# Altium PCB PowerAMP_revision.PcbDoc (part 4 of 4)
Units mm, origin at the board's own origin, x right, y up, seen from the top; angles counter-clockwise.
Board outline 211.5 x 142.58 mm, 2 copper layers (Top Layer, Bottom Layer), stack 1.635 mm thick; 322 components, 226 nets, 1061 pads, 745 vias.
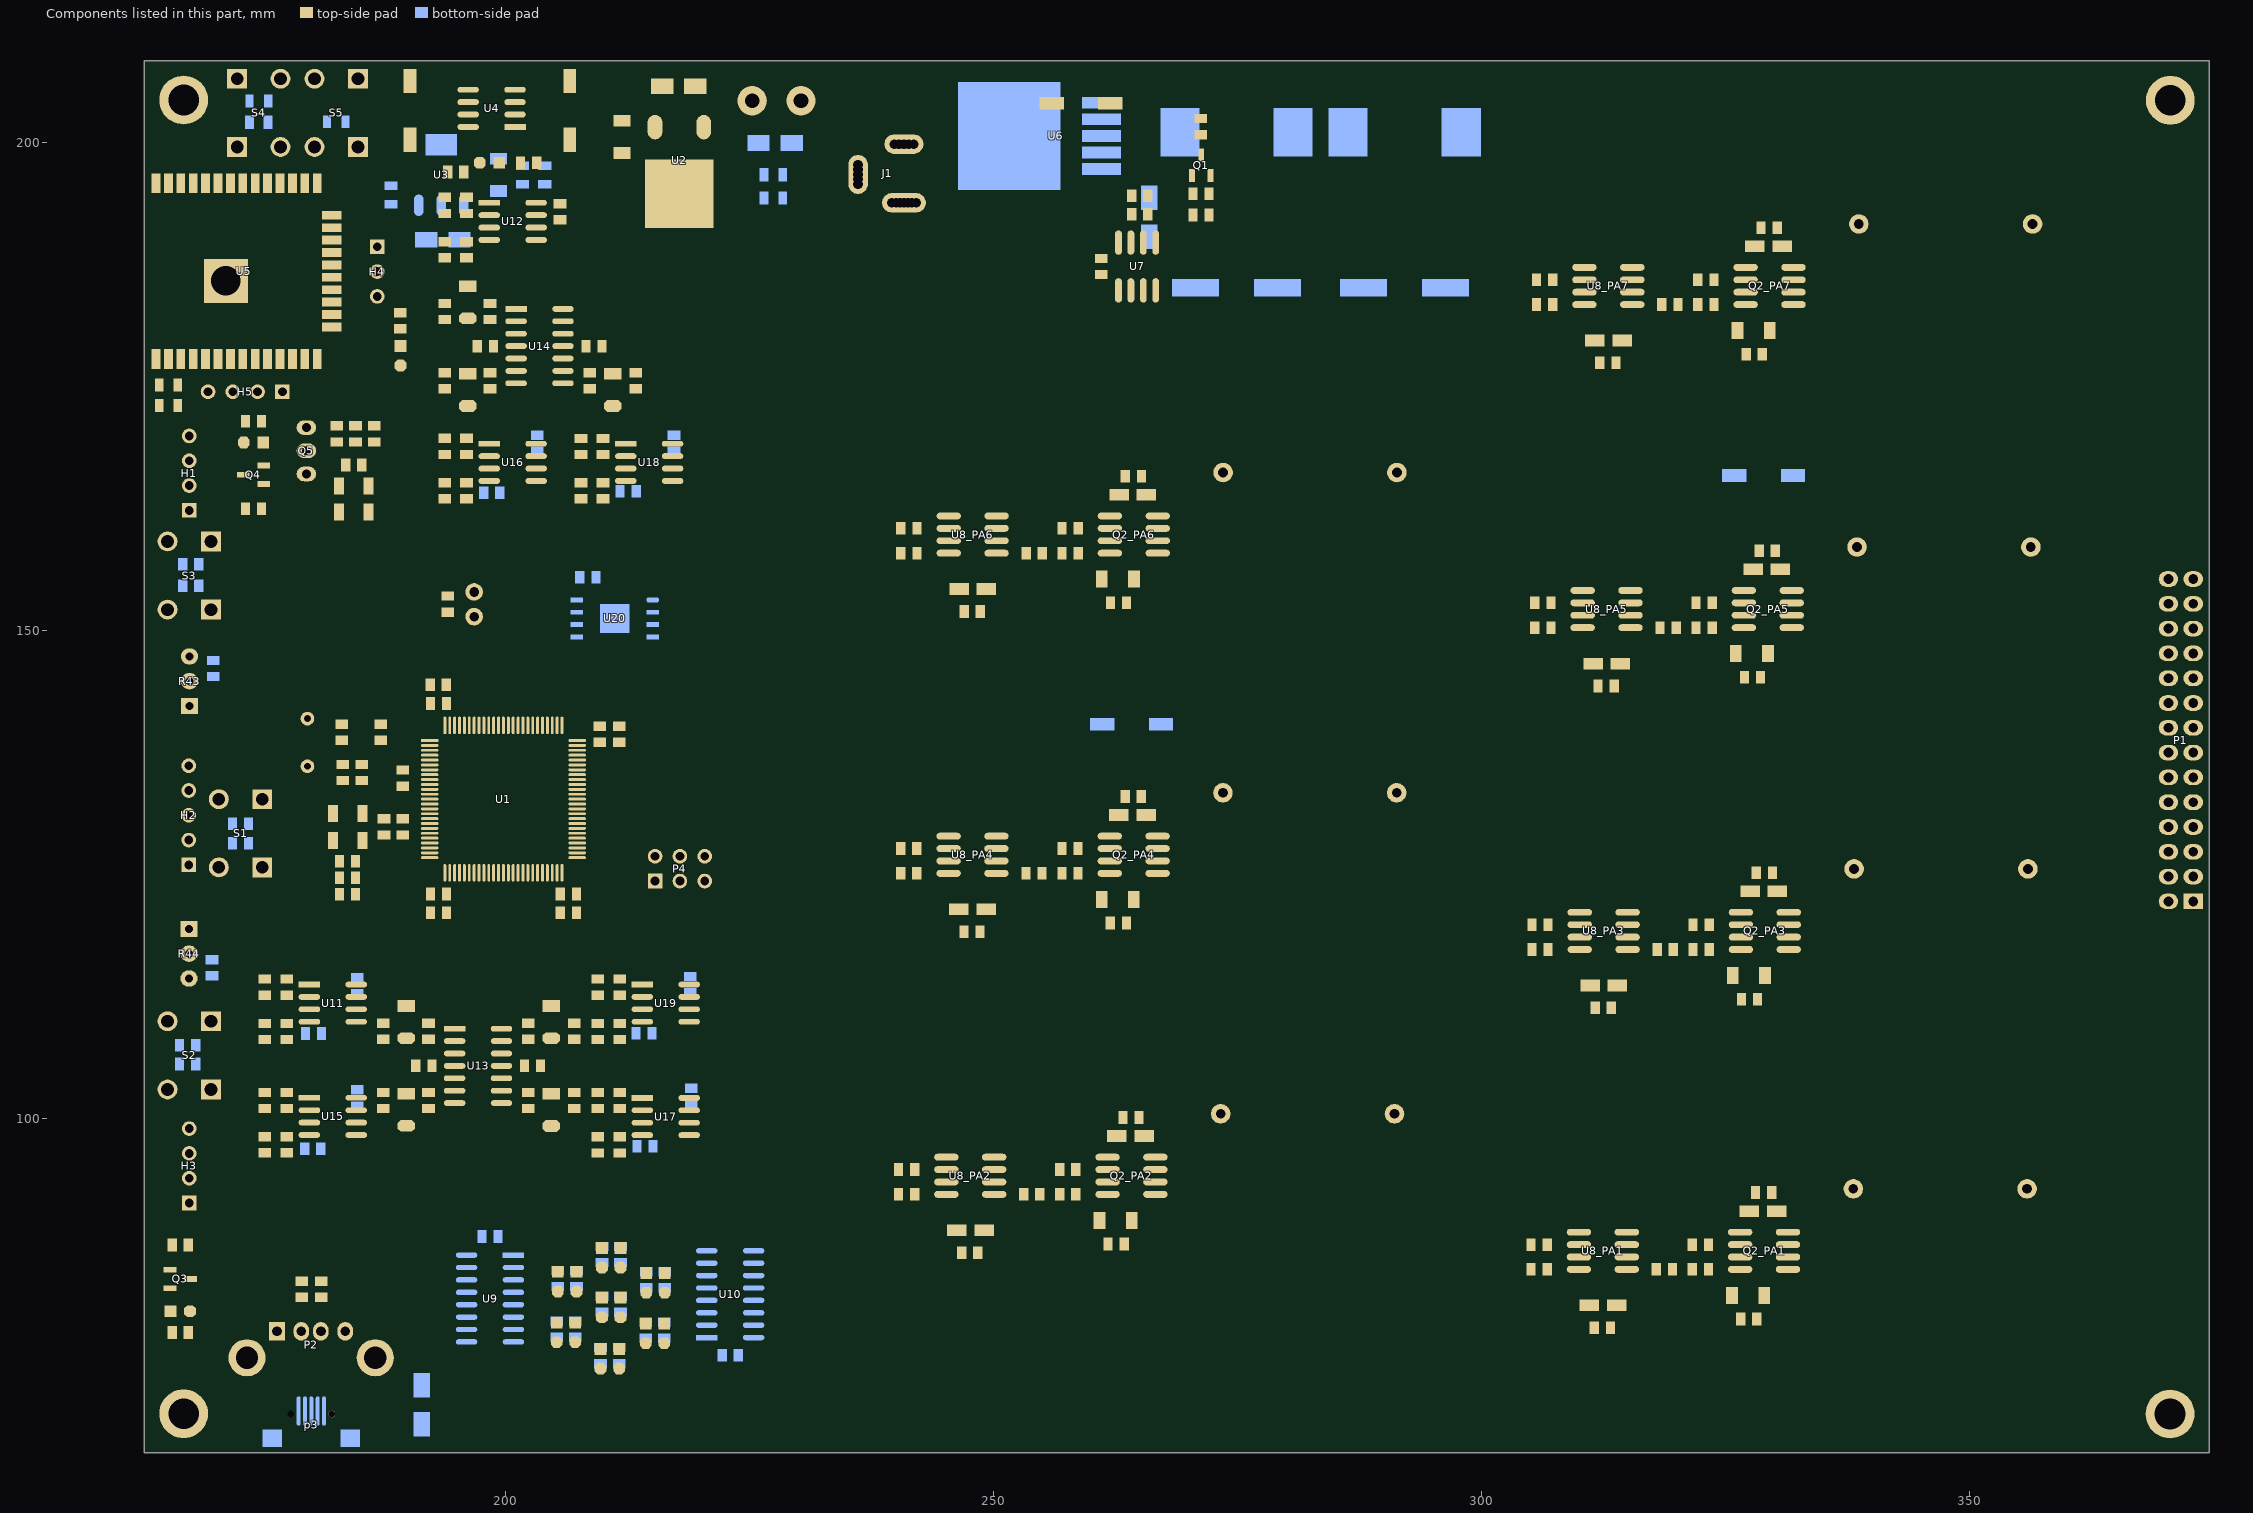
[diagram p4: the components of this part, seen from the top]

## Other copper
Top Layer:
  rectangle net GND: 210.8,185 226.9,199.525
  rectangle net GND: 302.25,154.1 324.233,160.977
  rectangle net +12: 248.508,143.844 257.875,155.75
  rectangle net GND: 237.325,161.75 259.275,168.609
  rectangle net GND: 237.332,143.844 246.857,156.036
  rectangle net coilH6: 267.766,143.743 292.531,163.743
  rectangle net GND: 276.55,182.95 298.775,187.775
  rectangle net coilH1: 332.225,70.384 357.079,90.384
  rectangle net coilH2: 267.65,78.069 292.289,98.069
  rectangle net GND: 237.075,96.075 259.061,102.935
  rectangle net GND: 237.09,78.17 246.615,90.362
  rectangle net +12: 248.266,78.17 257.675,90.05
  rectangle net +12: 313.137,103.248 322.55,115.1
  rectangle net coilH4: 267.752,110.946 292.517,130.946
  rectangle net coilH7: 332.877,169.202 357.642,189.202
  rectangle net GND: 302.425,187.2 324.414,194.068
  rectangle net GND: 302.443,169.303 311.968,181.495
  rectangle net +12: 313.619,169.303 323,181.125
  rectangle net coilH5: 332.696,136.111 357.461,156.111
  rectangle net GND: 302.262,136.212 311.787,148.404
  rectangle net +12: 313.438,136.212 322.8,148.1
  rectangle net GND: 237.3,128.95 259.289,135.812
  rectangle net GND: 237.318,111.047 246.843,123.239
  rectangle net +12: 248.494,111.047 257.9,122.9
  rectangle net coilH3: 332.395,103.147 357.16,123.147
  rectangle net GND: 301.95,121.15 323.932,128.013
  rectangle net GND: 301.961,103.248 311.486,115.44
  rectangle net GND: 301.875,88.375 323.851,95.25
  rectangle net GND: 301.88,70.485 311.405,82.677
  rectangle net +12: 313.056,70.485 322.475,82.35
  pour cut-out: 201.825,81 ccw(c210.825,81) 210.825,72 ccw(c210.825,81) 219.825,81 ccw(c210.825,81) 210.825,90 ccw(c210.825,81)
  text "Masoud Babaabasi" at 313.105,203.86 h5
  text "WPT" at 326.38,200.269 h5
  text "Summer 2022" at 318.275,196.994 h5
  text "PA7" at 324.6,173.65 h4
  text "PA7" at 368.125,158.25 h3.5
  text "PA6" at 259.725,148.202 h4
  text "PA5" at 324.925,140.727 h4
  text "PA1" at 368.125,117.425 h3.5
  text "PA4" at 259.825,115.307 h4
  text "PA3" at 324.3,107.902 h4
  text "G" at 164.431,98.65 h2.2 r270
  text "TX" at 164.549,96.875 h1.8 r270
  text "RX" at 164.549,94.2 h1.8 r270
  text "L5" at 204.65,86.971 h3
  text "L7" at 214.175,86.976 h3
  text "PA2" at 259.4,82.775 h4
  text "PA1" at 324.2,74.9 h4
  text "L3" at 204.65,73.49 h3
  text "L1" at 214.175,73.49 h3
Bottom Layer:
  rectangle net GND: 175.775,66.75 178.914,71.907
  rectangle net +3v3: 186.6,197.375 222.7,207.7
  rectangle net GND: 263.55,172.15 266.05,174.7
  rectangle net GND: 261.4,169.025 264.45,173.8
  rectangle net +12: 248.508,143.844 257.9,155.725
  rectangle net GND: 237.332,143.844 246.857,156.036
  rectangle net coilH6: 267.766,143.743 292.531,163.743
  rectangle net GND: 237.325,161.75 259.25,168.609
  rectangle net GND: 256.325,173.4 267.7,176.125
  rectangle net GND: 256.775,175.075 270.275,178.175
  rectangle net GND: 253.85,180.875 267.1,191.625
  rectangle net GND: 243.95,173.4 256.95,195.575
  rectangle net GND: 255,177.675 273.25,182.95
  rectangle net GND: 269.225,179.95 275.412,182.9
  rectangle net coilH2: 267.65,78.069 292.289,98.069
  rectangle net GND: 237.075,96.075 259.061,102.935
  rectangle net GND: 237.09,78.17 246.615,90.362
  rectangle net +12: 248.266,78.17 257.65,90.05
  rectangle net coilH7: 332.877,169.202 357.642,189.202
  rectangle net GND: 302.425,187.2 324.414,194.068
  rectangle net GND: 302.443,169.303 311.968,181.495
  rectangle net +12: 313.619,169.303 323,181.125
  rectangle net coilH5: 332.696,136.111 357.461,156.111
  rectangle net GND: 302.25,154.1 324.233,160.977
  rectangle net GND: 302.262,136.212 311.787,148.404
  rectangle net +12: 313.438,136.212 322.8,148.1
  rectangle net coilH4: 267.752,110.946 292.517,130.946
  rectangle net GND: 237.3,128.95 259.289,135.812
  rectangle net GND: 237.318,111.047 246.843,123.239
  rectangle net +12: 248.494,111.047 257.9,122.9
  rectangle net coilH3: 332.395,103.147 357.16,123.147
  rectangle net GND: 301.95,121.15 323.932,128.013
  rectangle net GND: 301.961,103.248 311.486,115.44
  rectangle net +12: 313.137,103.248 322.55,115.1
  rectangle net coilH1: 332.65,70.384 357.079,90.384
  rectangle net GND: 301.875,88.375 323.851,95.25
  rectangle net GND: 301.88,70.485 311.405,82.677
  rectangle net +12: 313.056,70.485 322.425,82.325
  region net NetD28_1: 192.35,68.925 192.35,67.45 188.076,67.45 185.377,70.075 181.475,70.075 181.475,71.528 189.65,71.528

## Silkscreen, mask and mechanical layers (free items; w line width, h text height)
Bottom Solder:
  rectangle: 176.925,65.775 183.25,68

## Text inside footprints (layer, text, board x,y; h text height)
C5: Top Overlay "+" at 191.325,201.197 h1 r270
C6: Top Overlay "+" at 207.7,201.197 h1 r270
C7: Top Overlay "+" at 261.052,205.125 h1
C8: Bottom Overlay "+" at 272.175,186.325 h2
C9: Bottom Overlay "+" at 289.4,186.325 h2
C48: Bottom Overlay "+" at 330.977,164.8 h1 r180
C49: Bottom Overlay "+" at 266.252,139.325 h1 r180
P1: Top Overlay "2" at 370.84,119.731 h1.27 r90; Top Overlay "1" at 373.38,119.731 h1.27 r90; Top Overlay "27" at 373.38,156.815 h1.27 r90; Top Overlay "28" at 370.84,156.815 h1.27 r90
p3: Mechanical 1 "PCB EDGE" at 177.712,65.527 h0.7 r180
P4: Top Overlay "6" at 221.939,126.392 h1.27; Top Overlay "5" at 221.939,123.852 h1.27; Top Overlay "2" at 212.795,126.392 h1.27; Top Overlay "1" at 213.303,123.852 h1.27
R43: Top Overlay "CW" at 166.431,147.441 h1 r90
R44: Top Overlay "CW" at 168.819,114.299 h1 r270
U5: Mechanical 13 "ANTENNA" at 160.475,180.825 h1 r90